# KiCad board motherboard-101.kicad_pcb (continued)
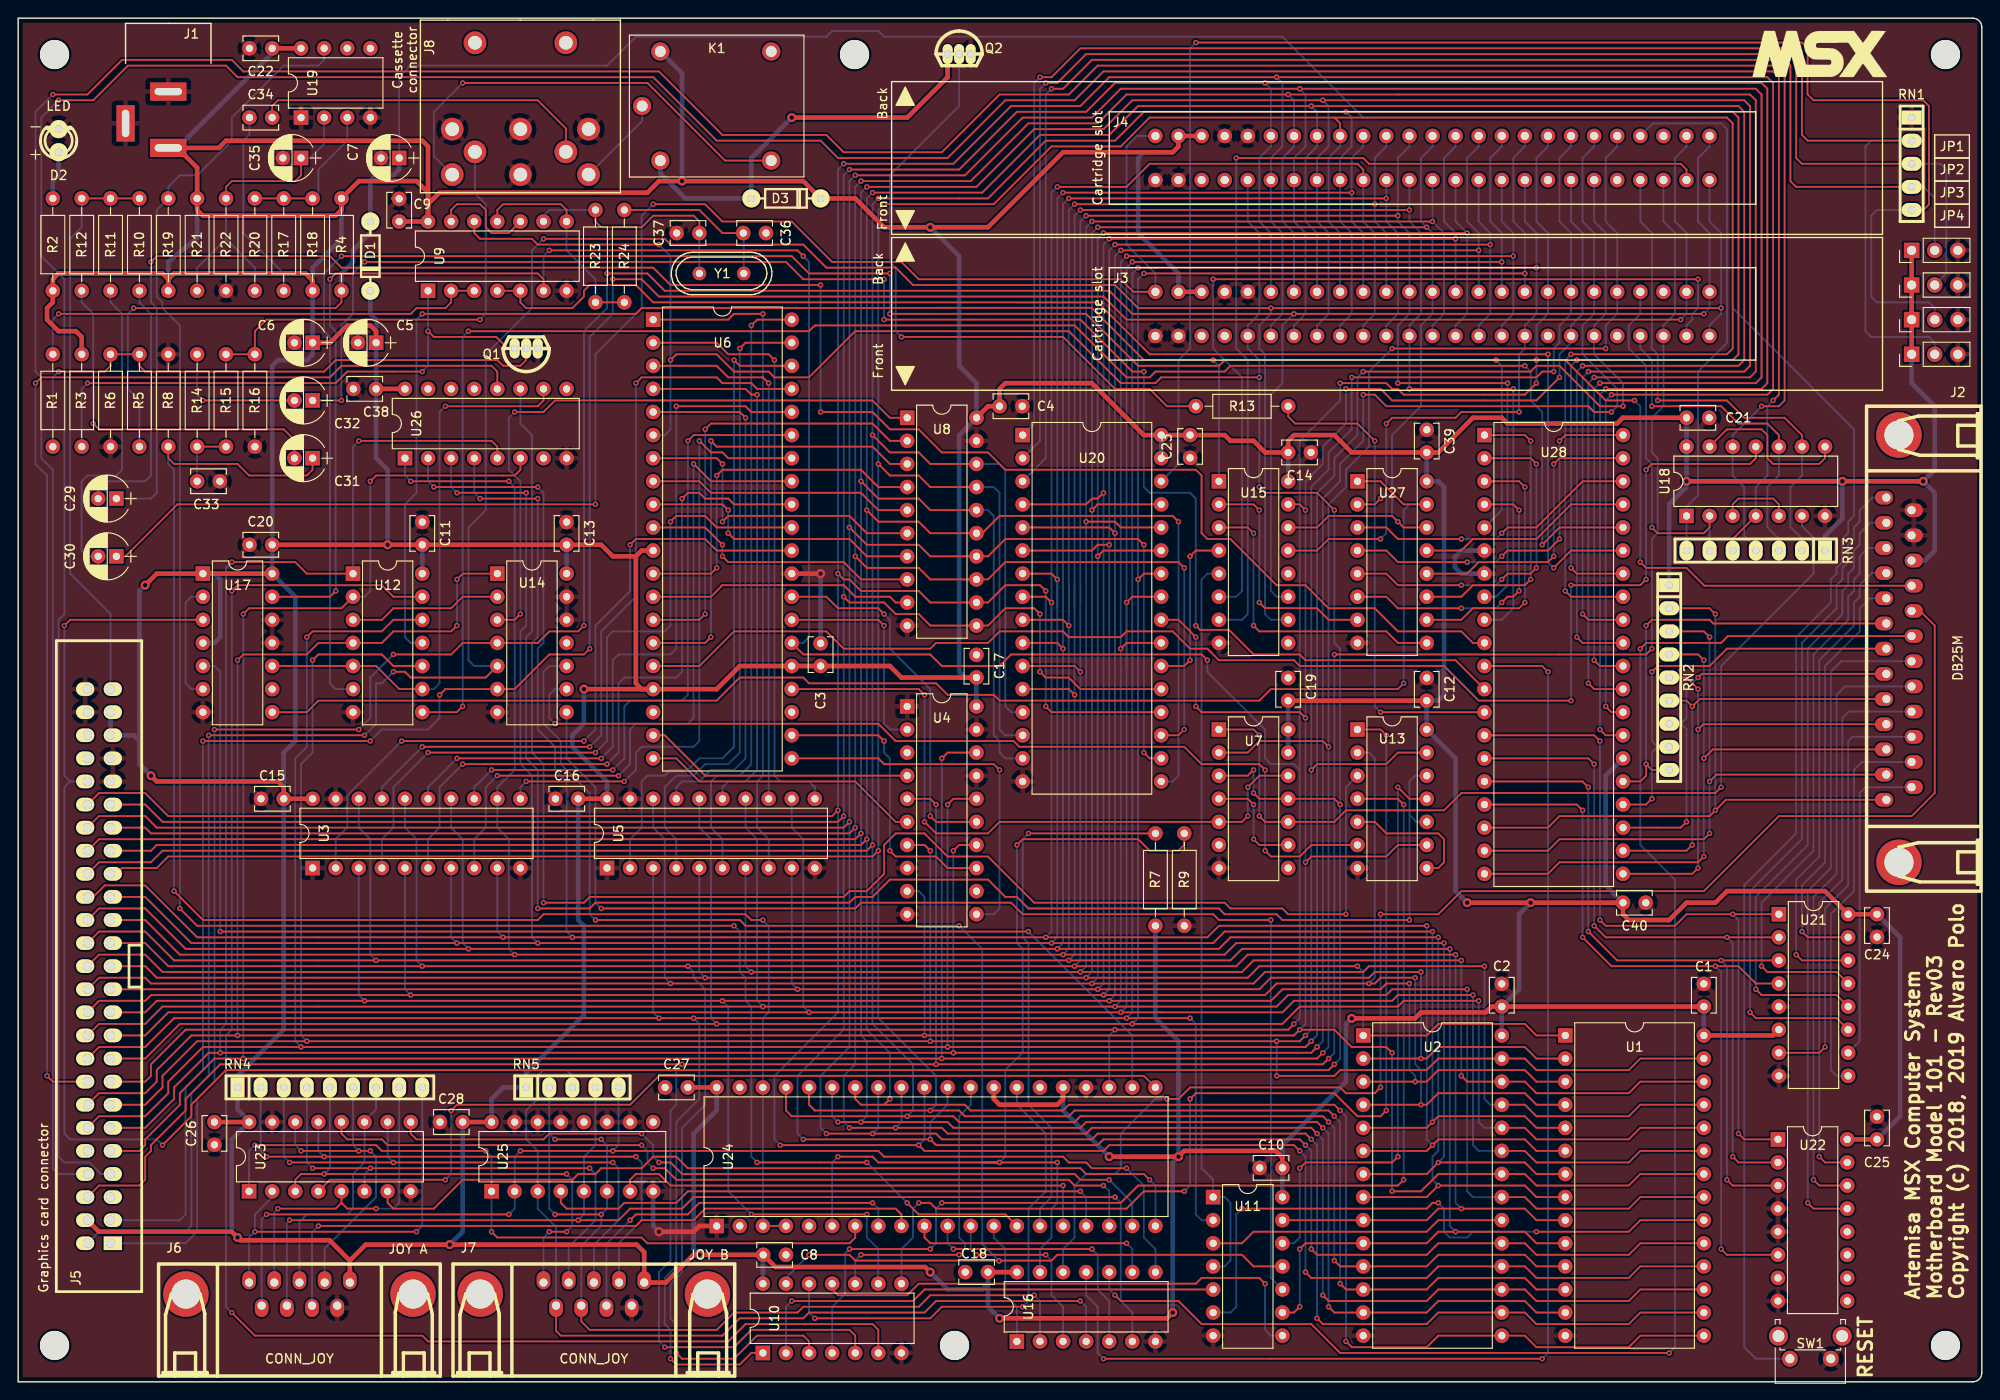
[diagram p0: board, top side]
## Routing (per net, layer and track width the routed paths; a pad name or vN(x,y) marks a point on that pad's centre or on a via; arc(x,y) is an arc through that point) (continued)
/DECODING/~{PSGBDIR}: length 168.8
  Top w0.203: v1(86.99,13.97) 91.44,13.97 92.08,13.34 113.67,13.34 114.3,13.97 134.62,13.97 135.89,12.7 U11.11 ; v1(63.5,50.8) 79.37,50.8 80.01,50.16 v1(103.51,50.16)
  Bottom w0.203: U10.13 84.45,11.43 v1(86.99,13.97) ; v1(63.5,50.8) 62.86,51.44 62.86,64.77 59.69,67.94 59.69,70.48 57.78,72.39 57.78,78.1 58.42,78.74 U14.10 ; v1(103.51,50.16) 106.05,47.62 106.05,15.16 v1(107.91,13.29)
/DECODING/~{PSGRD}: length 15
  Top w0.203: U13.8 156.21,56.51 156.85,57.15 156.85,59.69 156.21,60.32 150.5,60.32 149.23,61.59 U13.5
/DECODING/~{PSGSL}: length 177.1
  Top w0.203: v1(153.04,50.8) 139.06,50.8 138.43,51.44 132.71,51.44 132.08,52.07 111.12,52.07 109.86,53.34 108.58,53.34 106.68,55.25 95.89,55.25 93.98,53.34 92.08,53.34 91.44,52.7 63.5,52.7 62.86,52.07 v1(57.15,52.07)
  Bottom w0.203: v1(57.15,52.07) 57.15,67.31 55.88,68.58 55.88,81.91 56.52,82.55 56.52,104.14 55.25,105.41 U26.11 ; 153.04,62.37 v1(153.04,50.8) ; 153.04,62.37 153.81,61.59 U13.10 ; 153.04,62.37 153.04,66.04 153.67,66.67 U13.12
/DECODING/~{PSGWR}: length 65.5
  Top w0.203: v1(151.76,24.76) 151.13,24.13 141.61,24.13 v1(140.97,23.5) ; v1(151.76,65.41) 153.04,64.13 U13.11
  Bottom w0.203: v1(151.76,24.76) v1(151.76,65.41) ; U11.12 140.33,15.24 140.97,15.88 v1(140.97,23.5)
/EXTSOUND: length 170.9
  Top w0.203: J3.49 122.67,119.9 121.29,121.28 99.06,121.28 97.15,123.19 89.54,123.19 85.09,127.63 77.47,127.63 75.57,129.54 v1(69.85,129.54) ; v1(63.5,96.52) 17.51,96.52 11.8,90.81 C30.1
  Bottom w0.203: J3.49 125.1,121.92 121.92,125.09 121.92,135.89 123.08,137.04 J4.49 ; v1(69.85,129.54) 68.58,128.27 68.58,118.11 63.5,113.03 v1(63.5,96.52)
/KBD/KBCOL0: length 72.4
  Top w0.203: J2.1 187.85,64.03 v1(186.69,62.86) 186.06,62.23 169.55,62.23 168.27,60.96 U28.18 ; RN2.2 186.06,85.09 v1(186.69,84.45)
  Bottom w0.203: v1(186.69,84.45) v1(186.69,62.86)
/KBD/KBCOL1: length 71.6
  Top w0.203: v1(186.06,66.04) 186.81,66.79 J2.2 ; v1(186.06,81.91) 185.42,82.55 RN2.3 ; U28.19 168.27,58.42 169.55,59.69 185.42,59.69 v1(186.06,60.32)
  Bottom w0.203: v1(186.06,60.32) v1(186.06,81.91)
/KBD/KBCOL2: length 71.1
  Top w0.203: RN2.4 184.79,80.01 v1(185.42,79.38) ; v1(185.42,68.58) 186.41,69.57 J2.3 ; v1(185.42,57.78) 184.79,57.15 169.55,57.15 168.27,55.88 U28.20
  Bottom w0.203: v1(185.42,79.38) v1(185.42,68.58) v1(185.42,57.78)
/KBD/KBCOL3: length 52.9
  Top w0.203: v1(184.79,56.51) 184.15,55.88 U28.21 ; v1(184.79,76.2) 183.51,77.47 RN2.5 ; J2.4 185.36,72.33 v1(184.79,71.75)
  Bottom w0.203: v1(184.79,76.2) v1(184.79,71.75) v1(184.79,56.51)
/KBD/KBCOL4: length 47.6
  Top w0.203: U28.22 183.51,58.42 v1(184.15,59.06) ; RN2.6 183.51,74.93 v1(184.15,74.29) 184.96,75.11 J2.5
  Bottom w0.203: v1(184.15,74.29) v1(184.15,59.06)
/KBD/KBCOL5: length 46.3
  Top w0.203: v1(183.51,61.59) 182.88,60.96 U28.23 ; J2.6 185.19,77.87 v1(184.79,77.47)
  Bottom w0.203: v1(184.79,77.47) 183.51,76.2 183.51,73.03 182.91,72.42 182.91,72.39 ; 182.91,72.39 183.51,71.79 v1(183.51,61.59) ; 182.91,72.39 RN2.7
/KBD/KBCOL6: length 46
  Top w0.203: U28.24 179.07,63.5 v1(179.7,64.13) ; J2.7 187.96,80.64 186.06,78.74 180.34,78.74 v1(179.7,78.1)
  Bottom w0.203: 180.34,69.85 179.7,70.48 v1(179.7,78.1) ; 180.34,69.85 RN2.8 ; 180.34,69.85 179.7,69.22 v1(179.7,64.13)
/KBD/KBCOL7: length 49
  Top w0.203: U28.25 178.44,66.04 179.07,66.67 v1(179.07,67.94) 179.7,67.31 RN2.9 ; v1(179.07,83.19) 179.7,83.82 186.06,83.82 186.46,83.42 J2.8
  Bottom w0.203: v1(179.07,83.19) v1(179.07,67.94)
/KBD/KBROW0: length 82.1
  Top w0.203: U28.14 173.36,71.12 v1(173.99,70.48) ; U22.1 189.87,26.67 v1(189.23,27.31) ; v1(173.99,50.8) 174.62,50.16 182.25,50.16 183.51,51.44 U21.1
  Bottom w0.203: v1(188.6,51.44) 189.23,50.8 v1(189.23,27.31) ; v1(173.99,50.8) v1(173.99,70.48)
/KBD/KBROW1: length 80.6
  Top w0.203: v1(173.36,67.94) 172.72,68.58 U28.15 ; U21.2 v1(187.96,48.89) 174.62,48.89 v1(173.36,50.16) ; v1(188.6,24.76) 189.23,24.13 U22.2
  Bottom w0.203: v1(173.36,67.94) v1(173.36,50.16) ; v1(188.6,24.76) 188.6,48.26 v1(187.96,48.89)
/KBD/KBROW2: length 80.1
  Top w0.203: U21.3 v1(187.32,46.35) 175.89,46.35 v1(172.72,49.53) ; v1(187.96,22.22) 188.6,21.59 U22.3 ; U28.16 172.08,66.04 v1(172.72,65.41)
  Bottom w0.203: v1(172.72,49.53) v1(172.72,65.41) ; v1(187.32,46.35) 187.96,45.72 v1(187.96,22.22)
/KBD/KBROW3: length 86.6
  Top w0.203: v1(187.32,14.6) 187.96,13.97 U22.6 ; U28.17 171.45,63.5 v1(172.08,62.86) ; U21.4 191.13,43.81 189.23,45.72 v1(186.69,45.72) 175.26,45.72 v1(172.08,48.89)
  Bottom w0.203: v1(172.08,62.86) v1(172.08,48.89) ; v1(187.32,14.6) 187.32,45.09 v1(186.69,45.72)
/KBD/~{CAPSL}: length 176.1
  Top w0.203: v1(181.61,3.17) 145.42,3.17 142.24,6.35 130.18,6.35 127.64,8.89 121.29,8.89 v1(120.65,9.53) ; J2.20 188.07,82.03 187.32,81.28 179.07,81.28 v1(178.44,80.64)
  Bottom w0.203: U16.10 120.02,10.16 v1(120.65,9.53) ; v1(178.44,80.64) 178.44,59.06 182.25,55.25 182.25,3.81 v1(181.61,3.17)
/KBD/~{KANAL}: length 158.1
  Top w0.203: v1(149.86,51.44) 156.21,51.44 158.75,53.97 185.42,53.97 193.68,62.23 208.28,62.23 210.82,64.77 210.82,83.19 209.2,84.8 J2.21 ; v1(149.86,32.38) 149.23,31.75 146.05,31.75 145.42,32.38 128.9,32.38 127.64,31.11 v1(126.36,31.11)
  Bottom w0.203: v1(126.36,31.11) 125.1,31.11 121.29,27.31 121.29,23.5 120.65,22.86 117.48,22.86 116.2,21.59 116.2,15.88 114.93,14.6 U16.12 ; v1(149.86,32.38) v1(149.86,51.44)
/KBD/~{RSL0}: length 46.9
  Top w0.203: U21.15 196.85,48.89 v1(196.21,49.53)
  Bottom w0.203: J2.9 203.66,86.18 202.56,85.09 202.56,82.55 198.75,78.74 198.75,57.15 196.21,54.61 v1(196.21,49.53)
/KBD/~{RSL1}: length 53
  Top w0.203: U21.14 196.21,46.35 v1(195.58,46.99)
  Bottom w0.203: v1(195.58,46.99) 195.58,55.25 198.12,57.78 198.12,79.38 201.93,83.19 201.93,85.72 202.56,86.36 202.56,87.63 203.89,88.96 J2.10
/KBD/~{RSL2}: length 63.2
  Top w0.203: U21.13 200.02,45.09 192.4,45.09 v1(191.77,45.72)
  Bottom w0.203: J2.11 203.48,91.72 202.56,90.81 202.56,88.9 201.93,88.26 201.93,87 201.29,86.36 201.29,83.82 197.49,80.01 197.49,58.42 191.77,52.7 v1(191.77,45.72)
/KBD/~{RSL3}: length 69.3
  Top w0.203: v1(191.13,43.18) 191.77,42.54 200.02,42.54 U21.12
  Bottom w0.203: J2.12 203.72,94.5 202.56,93.34 202.56,92.07 201.93,91.44 201.93,89.53 201.29,88.9 201.29,87.63 200.66,87 200.66,84.45 196.85,80.64 196.85,59.06 191.13,53.34 v1(191.13,43.18)
/KBD/~{RSL4}: length 75.3
  Top w0.203: U21.11 200.02,40 191.13,40 v1(190.5,40.64)
  Bottom w0.203: J2.13 203.94,97.26 202.56,95.88 202.56,94.61 201.93,93.98 201.93,92.71 201.29,92.07 201.29,90.17 200.66,89.53 200.66,88.26 200.02,87.63 200.02,85.09 196.21,81.28 196.21,59.69 190.5,53.97 v1(190.5,40.64)
/KBD/~{RSL5}: length 35.1
  Bottom w0.203: J2.14 203.21,65.41 202.56,64.77 202.56,37.47 U21.10
/KBD/~{RSL6}: length 42.9
  Bottom w0.203: U21.9 200.02,33.66 199.39,34.29 199.39,51.44 201.93,53.97 201.93,67.31 202.8,68.18 J2.15
/KBD/~{RSL7}: length 47.2
  Top w0.203: U21.7 198.12,36.19 v1(198.75,36.83)
  Bottom w0.203: J2.16 201.76,70.95 201.29,70.48 201.29,54.61 198.75,52.07 v1(198.75,36.83)
/KBD/~{RSL8}: length 60.5
  Top w0.203: U22.15 198.75,24.13 v1(198.12,24.76)
  Bottom w0.203: v1(198.12,24.76) 198.12,52.7 200.66,55.25 200.66,73.03 201.36,73.72 J2.17
/KBD/~{RSL9}: length 67
  Top w0.203: U22.14 198.12,21.59 v1(197.49,22.22)
  Bottom w0.203: J2.18 200.95,76.49 200.02,75.56 200.02,55.88 197.49,53.34 v1(197.49,22.22)
/KBD/~{RSL10}: length 73.4
  Top w0.203: v1(196.85,19.69) 197.49,19.05 U22.13
  Bottom w0.203: v1(196.85,19.69) 196.85,53.97 199.39,56.51 199.39,78.1 200.55,79.26 J2.19
/PPI/PA0: length 32.1
  Top w0.203: v1(165.1,95.88) 164.46,96.52 U28.4 ; U27.6 150.5,86.36 151.76,85.09 v1(158.75,85.09) ; v1(165.1,87) 164.46,86.36 163.83,86.36 v1(163.19,85.72)
  Bottom w0.203: v1(158.75,85.09) 162.56,85.09 v1(163.19,85.72) ; v1(165.1,95.88) v1(165.1,87)
/PPI/PA1: length 29
  Top w0.203: U28.3 165.1,99.06 v1(165.74,98.42) ; v1(165.74,85.72) 165.1,85.09 160.02,85.09 158.75,83.82 U27.10
  Bottom w0.203: v1(165.74,98.42) v1(165.74,85.72)
/PPI/PA2: length 38.4
  Top w0.203: v1(158.75,87.63) 151.76,87.63 150.5,88.9 U27.5 ; v1(163.19,88.26) 163.83,88.9 166.37,88.9 v1(167,89.53) ; v1(167,100.96) 166.37,101.6 U28.2
  Bottom w0.203: v1(167,100.96) v1(167,89.53) ; v1(158.75,87.63) 162.56,87.63 v1(163.19,88.26)
/PPI/PA3: length 32.8
  Top w0.203: v1(166.37,88.26) 165.74,87.63 160.02,87.63 158.75,86.36 U27.11 ; U28.1 165.74,104.14 v1(166.37,103.5)
  Bottom w0.203: v1(166.37,88.26) v1(166.37,103.5)
/PPI/PA4: length 41.8
  Top w0.203: U27.4 150.5,91.44 151.76,90.17 v1(159.38,90.17) ; U28.40 170.18,104.14 v1(169.55,103.5) ; v1(169.55,92.71) 168.27,91.44 163.83,91.44 v1(163.19,90.81)
  Bottom w0.203: v1(169.55,103.5) v1(169.55,92.71) ; v1(159.38,90.17) 162.56,90.17 v1(163.19,90.81)
/PPI/PA5: length 32.8
  Top w0.203: v1(168.91,90.81) 168.27,90.17 160.65,90.17 159.38,88.9 U27.12 ; v1(168.91,100.96) 169.55,101.6 U28.39
  Bottom w0.203: v1(168.91,100.96) v1(168.91,90.81)
/PPI/PA6: length 32.4
  Top w0.203: v1(158.75,92.71) 151.76,92.71 150.5,93.98 U27.3 ; v1(163.19,93.34) 163.83,93.98 167,93.98 172.08,99.06 U28.38
  Bottom w0.203: v1(163.19,93.34) 162.56,92.71 v1(158.75,92.71)
/PPI/PA7: length 23.7
  Top w0.203: U28.37 170.81,96.52 167,92.71 160.02,92.71 158.75,91.44 U27.13
/PSG/IOA0: length 102
  Top w0.203: v1(46.99,22.22) 34.29,22.22 U23.4 ; v1(47.62,29.84) 48.26,30.48 67.31,30.48 70.48,33.66 123.83,33.66 U24.21
  Bottom w0.203: v1(46.99,22.22) 47.62,22.86 v1(47.62,29.84)
/PSG/IOA1: length 94.8
  Top w0.203: 40.64,21.59 40.64,19.69 41.28,19.05 45.72,19.05 48.89,22.22 60.96,22.22 61.59,22.86 63.5,22.86 64.14,23.5 68.58,23.5 69.85,24.76 72.39,24.76 73.66,23.5 116.84,23.5 117.48,22.86 123.83,22.86 v1(124.46,22.22)
  Bottom w0.203: U24.20 125.1,21.59 v1(124.46,22.22)
/PSG/IOA2: length 87.6
  Top w0.203: U23.9 43.18,27.31 43.81,26.67 57.78,26.67 58.42,27.31 v1(68.58,27.31) ; v1(70.48,24.13) 71.76,24.13 73.02,22.86 116.2,22.86 116.84,22.22 v1(120.02,22.22)
  Bottom w0.203: U24.19 122.55,19.69 v1(120.02,22.22) ; v1(70.48,24.13) 69.85,24.76 69.85,26.03 v1(68.58,27.31)
/PSG/IOA3: length 93
  Top w0.203: v1(68.58,26.03) 40.64,26.03 40,26.67 36.19,26.67 35.56,27.31 35.56,28.7 ; v1(69.85,23.5) 71.12,23.5 72.39,22.22 115.57,22.22 116.2,21.59 v1(119.38,21.59)
  Bottom w0.203: U24.18 120.02,20.95 v1(119.38,21.59) ; v1(69.85,23.5) 69.22,24.13 69.22,25.4 v1(68.58,26.03)
/PSG/IOA4: length 63.5
  Top w0.203: U25.4 59.69,19.69 60.33,19.05 66.04,19.05 66.67,19.69 72.39,19.69 73.66,20.95 v1(116.84,20.95)
  Bottom w0.203: 117.48,17.14 117.48,20.32 v1(116.84,20.95)
/PSG/IOA5: length 54.1
  Top w0.203: U25.7 67.31,22.22 67.94,22.86 70.48,22.86 71.76,21.59 v1(114.93,21.59)
  Bottom w0.203: v1(114.93,21.59) U24.16
/PSG/IOB0: length 13.8
  Bottom w0.203: 107.32,17.14 107.32,15.88 108.58,14.6 108.58,9.53 109.86,8.25 U16.1
/PSG/IOB1: length 21.4
  Top w0.203: v1(105.41,13.97) v1(113.03,13.97)
  Bottom w0.203: U16.3 114.93,8.25 113.67,9.53 113.67,13.34 v1(113.03,13.97) ; U24.12 104.77,14.6 v1(105.41,13.97)
/PSG/IOB2: length 29
  Top w0.203: v1(118.11,14.6) v1(102.87,14.6)
  Bottom w0.203: U24.11 102.23,15.24 v1(102.87,14.6) ; U16.5 120.02,8.89 118.74,10.16 118.74,13.97 v1(118.11,14.6)
/PSG/IOB3: length 27.2
  Top w0.203: v1(121.92,15.24) 100.33,15.24 99.7,15.88 U24.10
  Bottom w0.203: U16.9 122.55,14.6 v1(121.92,15.24)
/PSG/IOB4: length 75.5
  Top w0.203: v1(33.02,17.14) 67.94,17.14 68.58,17.78 74.3,17.78 75.57,19.05 96.52,19.05 97.15,18.41 U24.9
  Bottom w0.203: v1(33.02,17.14) 32.32,16.45 J6.8
/PSG/IOB5: length 40.7
  Top w0.203: v1(93.98,19.69) 74.93,19.69 73.66,18.41 67.94,18.41 v1(67.31,17.78)
  Bottom w0.203: v1(67.31,17.78) 64.71,15.18 J7.8 ; v1(93.98,19.69) 94.61,19.05 U24.8
/PSG/IOB6: length 82.1
  Top w0.203: U24.7 92.08,15.88 91.44,15.24 69.22,15.24 68.58,15.88 52.7,15.88 v1(52.07,16.51) ; v1(26.03,26.03) 39.37,26.03 40,25.4 v1(51.44,25.4)
  Bottom w0.203: v1(51.44,25.4) 52.07,24.76 U25.1 v1(52.07,16.51) ; v1(26.03,26.03) 25.4,25.4 25.4,21.08
/PSG/JOYA1: length 45
  Top w0.203: v1(43.81,16.51) v1(26.03,16.51)
  Bottom w0.203: J6.1 25.4,15.88 v1(26.03,16.51) 26.03,18.41 27.94,20.32 U23.2 ; RN4.9 44.45,17.14 v1(43.81,16.51)
/PSG/JOYA2: length 36.5
  Top w0.203: 35.56,19.69 35.56,21.08 ; 35.56,19.69 36.19,19.05 v1(39.37,19.05) ; 35.56,19.69 34.92,19.05 v1(28.58,19.05)
  Bottom w0.203: RN4.8 41.91,19.69 41.28,19.05 v1(39.37,19.05) ; v1(28.58,19.05) 28.17,18.64 J6.2
/PSG/JOYA3: length 27.6
  Bottom w0.203: RN4.7 39.37,29.97 38.1,28.7 38.1,24.13 36.83,22.86 36.83,19.05 36.19,18.41 31.75,18.41 30.94,17.6 J6.3
/PSG/JOYA4: length 35.5
  Top w0.203: v1(31.11,25.4) v1(37.47,25.4) v1(38.73,25.4)
  Bottom w0.203: RN4.6 36.83,26.03 v1(37.47,25.4) ; v1(31.11,25.4) 30.48,26.03 30.48,28.7 ; v1(38.73,25.4) 39.37,24.76 39.37,20.32 33.71,14.66 J6.4
/PSG/JOYA6: length 131.9
  Top w0.203: v1(121.92,23.5) 118.11,23.5 117.48,24.13 115.57,24.13 114.93,24.76 95.25,24.76 94.61,25.4 v1(65.41,25.4) v1(55.25,25.4) ; v1(27.3,18.41) v1(53.97,18.41)
  Bottom w0.203: v1(27.3,18.41) 26.78,17.89 J6.6 ; v1(53.97,18.41) 54.61,19.05 U25.2 54.61,24.76 v1(55.25,25.4) ; v1(65.41,25.4) 66.04,26.03 RN5.5 ; v1(121.92,23.5) 123.83,21.59 123.83,15.88 125.1,14.6 U16.8
/PSG/JOYA7: length 133.4
  Top w0.203: v1(120.65,20.32) 74.3,20.32 73.02,19.05 67.31,19.05 66.04,17.78 v1(61.59,17.78) v1(29.84,17.78)
  Bottom w0.203: U16.6 122.55,7.62 121.29,8.89 121.29,19.69 v1(120.65,20.32) ; J6.7 29.56,17.49 v1(29.84,17.78) ; RN5.4 63.5,26.03 62.23,24.76 U25.5 62.23,18.41 v1(61.59,17.78)
/PSG/JOYB1: length 55.7
  Top w0.203: 30.48,21.08 30.48,22.22 31.11,22.86 v1(33.66,22.86) v1(60.33,22.86) ; v1(58.42,16.51) v1(60.33,16.51)
  Bottom w0.203: v1(60.33,22.86) 60.96,22.22 60.96,17.14 v1(60.33,16.51) ; 57.78,10.92 57.78,15.88 v1(58.42,16.51) ; RN4.5 34.29,23.5 v1(33.66,22.86)
/PSG/JOYB2: length 56.4
  Top w0.203: v1(62.86,23.5) v1(38.73,23.5) v1(32.39,23.5)
  Bottom w0.203: RN4.4 31.75,24.13 v1(32.39,23.5) ; v1(62.86,23.5) 63.5,22.86 63.5,17.78 60.55,14.83 J7.2 ; v1(38.73,23.5) 38.1,22.86 38.1,21.08
/PSG/JOYB3: length 63.5
  Top w0.203: v1(29.84,24.13) v1(41.28,24.13) v1(65.41,24.13)
  Bottom w0.203: v1(41.28,24.13) 40.64,24.76 40.64,28.7 ; v1(65.41,24.13) 66.04,23.5 66.04,17.78 63.32,15.06 J7.3 ; RN4.3 29.21,24.76 v1(29.84,24.13)
/PSG/JOYB4: length 67.9
  Top w0.203: v1(67.94,24.76) v1(33.66,24.76) v1(27.3,24.76)
  Bottom w0.203: v1(67.94,24.76) 68.58,24.13 68.58,17.78 66.1,15.3 J7.4 ; v1(27.3,24.76) 26.67,25.4 RN4.2 ; v1(33.66,24.76) 33.02,25.4 33.02,28.7
/PSG/JOYB6: length 99.7
  Top w0.203: v1(116.84,8.89) 100.96,8.89 99.7,7.62 86.99,7.62 86.36,6.98 79.37,6.98 77.47,5.08 59.69,5.08 59.17,5.6 J7.6
  Bottom w0.203: U16.4 117.48,8.25 v1(116.84,8.89) ; J7.6 59.17,17.03 57.15,19.05 U25.3 57.15,25.4 55.88,26.67 55.88,29.84 57.15,31.11 57.15,33.66 57.78,34.29 60.33,34.29 60.96,33.66 RN5.3
/PSG/JOYB7: length 103.9
  Top w0.203: v1(59.05,26.67) v1(64.14,26.67) ; v1(59.05,18.41) v1(64.14,18.41) ; v1(111.76,9.53) 100.33,9.53 99.06,8.25 86.36,8.25 85.73,7.62 78.74,7.62 76.83,5.72 62.86,5.72 61.94,6.64 J7.7
  Bottom w0.203: U16.2 112.39,8.89 v1(111.76,9.53) ; v1(59.05,18.41) 58.42,19.05 58.42,27.31 ; 58.42,27.31 v1(59.05,26.67) ; 58.42,27.31 RN5.2 ; J7.7 61.94,14.95 64.14,17.14 v1(64.14,18.41) 64.77,19.05 U25.6 64.77,26.03 v1(64.14,26.67)
/PSGBC1: length 33.7
  Top w0.203: v1(92.71,13.97) v1(103.51,13.97)
  Bottom w0.203: v1(92.71,13.97) 92.08,13.34 U10.10 ; U24.29 104.77,30.48 103.51,29.21 103.51,15.88 104.14,15.24 104.14,14.6 v1(103.51,13.97)
/PSGBDIR: length 54
  Top w0.203: v1(87.63,6.98) 100.33,6.98 101.6,8.25 v1(110.49,8.25)
  Bottom w0.203: U10.12 86.99,7.62 v1(87.63,6.98) ; v1(110.49,8.25) 111.12,8.89 111.12,19.05 113.03,20.95 113.03,27.31 109.86,30.48 U24.27
/PSGCLK: length 141.5
  Top w0.203: v1(111.12,49.53) v1(22.22,49.53)
  Bottom w0.203: U17.5 21.59,78.74 22.22,78.1 v1(22.22,49.53) ; U24.22 122.55,38.1 v1(111.12,49.53)
/RESET: length 153.8
  Top w0.203: U28.35 170.81,91.44 v1(168.91,89.53) ; U9.4 U9.5 55.25,118.74 55.88,118.11 60.96,118.11 62.23,119.38 62.23,120.02 62.86,120.65 67.94,120.65 69.85,118.74 113.04,118.74 118.75,118.74 124.46,113.03 v1(168.27,113.03)
  Bottom w0.203: v1(168.91,89.53) 168.27,90.17 v1(168.27,113.03)
/SLOTS/~{EXTINT2}: length 37.3
  Top w0.203: v1(179.7,107.31) 187.32,107.31 189.23,105.41 192.4,105.41 193.68,104.14 U18.10
  Bottom w0.203: RN3.3 193.68,92.74 192.4,94.01 192.4,98.42 193.68,99.69 U18.10 ; J3.8 178.44,113.66 179.7,112.39 v1(179.7,107.31)
/SLOTS/~{EXTINT3}: length 56.2
  Top w0.203: v1(180.34,107.95) 187.96,107.95 189.87,106.04 194.31,106.04 196.21,104.14 U18.9
  Bottom w0.203: U18.9 196.21,99.69 194.94,98.42 194.94,94.01 196.21,92.74 RN3.2 ; J4.8 178.44,127.63 179.7,126.36 179.7,113.66 180.34,113.03 v1(180.34,107.95)
/SLOTS/~{EXTWAIT2}: length 39.5
  Top w0.203: U18.2 186.06,93.98 185.42,93.34 180.34,93.34 v1(179.7,93.98)
  Bottom w0.203: RN3.6 U18.2 ; v1(179.7,93.98) 179.7,100.96 179.07,101.6 179.07,111.76 177.17,113.66 177.17,116.2 178.44,117.47 J3.7
/SLOTS/~{EXTWAIT3}: length 58.6
  Bottom w0.203: J4.7 179.82,138.43 187.32,138.43 187.96,137.79 187.96,114.3 184.79,111.12 184.79,97.52 183.51,96.25 U18.1 RN3.7
/SLOTS/~{VDPINT}: length 381.5
  Top w0.203: v1(191.77,107.31) 193.68,107.31 194.31,107.95 194.31,144.14 193.68,144.78 118.74,144.78 115.57,141.6 107.95,141.6 101.6,135.25 90.8,135.25 88.9,137.16 77.47,137.16 70.48,144.14 24.77,144.14 23.5,145.41 11.43,145.41 7.62,141.6 v1(3.81,141.6)
  Bottom w0.203: J5.8 4.45,22.86 3.81,23.5 3.81,100.33 2.54,101.6 2.54,110.49 1.91,111.12 1.91,139.7 v1(3.81,141.6) ; v1(191.77,107.31) 188.6,104.14 U18.12 188.6,99.69 189.87,98.42 189.87,93.05 191.13,91.78 RN3.4
/SLOTS/~{VDPWAIT}: length 378.5
  Top w0.203: U18.4 188.6,92.71 RN3.5 ; v1(193.04,107.95) 193.68,108.58 193.68,143.51 193.04,144.14 119.38,144.14 116.2,140.97 108.58,140.97 102.23,134.62 90.17,134.62 88.27,136.52 76.83,136.52 69.85,143.51 24.13,143.51 22.86,144.78 12.06,144.78 8.25,140.97 v1(4.45,140.97)
  Bottom w0.203: v1(193.04,107.95) 192.4,107.31 192.4,99.69 191.13,98.42 U18.4 ; RN3.5 188.6,91.78 ; v1(4.45,140.97) 2.54,139.06 2.54,123.82 5.08,121.28 5.08,84.45 4.45,83.82 4.45,24.76 5.08,24.13 7.84,24.13 9.11,22.86 J5.7
/~{CAPSLOCK}: length 141.7
  Top w0.203: v1(167.64,2.54) v1(119.38,2.54) ; U28.11 167.64,78.74 v1(168.27,78.1)
  Bottom w0.203: v1(119.38,2.54) 118.74,3.17 118.74,8.25 117.48,9.53 U16.11 ; v1(168.27,78.1) 168.27,3.17 v1(167.64,2.54)
/~{CASMOTOR}: length 53.3
  Top w0.203: U28.13 v1(149.86,73.66) ; v1(149.23,103.5) 147.32,105.41 140.47,105.41 139.7,106.18 R13.2
  Bottom w0.203: v1(149.23,103.5) 149.23,74.29 v1(149.86,73.66)
/~{CS1}: length 330.9
  Top w0.203: v1(64.77,121.92) 69.22,121.92 71.12,120.02 120.02,120.02 122.55,117.47 v1(140.33,117.47) v1(185.42,117.47) ; v1(37.47,71.75) v1(21.59,71.75) ; v1(62.23,83.19) 61.59,82.55 58.42,82.55 57.15,81.28 U14.4 48.89,81.28 47.62,80.01 v1(41.28,80.01)
  Bottom w0.203: v1(140.33,117.47) 139.06,116.2 139.06,109.85 137.8,108.58 137.8,87 138.43,86.36 U15.11 ; J4.1 186.06,135.89 184.79,134.62 184.79,127.63 186.06,126.36 J3.1 186.06,118.11 v1(185.42,117.47) ; v1(21.59,71.75) 21.59,33.02 19.69,31.11 19.69,16.51 18.42,15.24 J5.1 ; v1(37.47,71.75) 38.73,73.03 38.73,77.47 v1(41.28,80.01) ; v1(64.77,121.92) 64.77,118.11 62.23,115.57 v1(62.23,83.19)
/~{CS2}: length 346.4
  Top w0.203: v1(20.95,71.12) v1(38.1,71.12) ; v1(57.78,125.73) 71.12,125.73 71.76,125.09 86.36,125.09 88.9,122.55 96.53,122.57 98.42,120.65 120.65,120.65 123.19,118.11 v1(137.8,118.11) v1(187.32,118.11) ; U14.5 51.44,77.47 43.18,77.47 42.55,78.1 v1(41.28,78.1)
  Bottom w0.203: J5.2 8.89,16.51 18.42,16.51 19.05,17.14 19.05,31.75 20.95,33.66 v1(20.95,71.12) ; v1(137.8,118.11) 137.8,117.47 136.52,116.2 136.52,113.66 137.16,113.03 137.16,84.45 137.8,83.82 U15.10 ; v1(57.78,125.73) 56.52,124.46 56.52,118.11 51.44,113.03 51.44,95.88 49.53,93.98 49.53,79.38 50.17,78.74 U14.5 ; v1(41.28,78.1) 40,76.84 39.37,76.84 39.37,72.39 v1(38.1,71.12) ; J3.2 186.06,116.2 187.32,117.47 v1(187.32,118.11) 187.32,126.36 186.06,127.63 J4.2
/~{CS12}: length 292.1
  Top w0.203: v1(182.88,116.84) 121.92,116.84 119.38,119.38 70.48,119.38 68.58,121.28 v1(65.41,121.28) ; v1(62.86,80.64) 62.23,80.01 58.42,80.01 54.61,76.2 U14.6 46.99,76.2 v1(46.36,75.56) ; v1(38.73,70.48) v1(20.32,70.48)
  Bottom w0.203: v1(182.88,116.84) 183.51,117.47 J3.3 183.51,126.36 182.25,127.63 182.25,134.62 183.51,135.89 J4.3 ; v1(65.41,121.28) 65.41,117.47 62.86,114.93 v1(62.86,80.64) ; v1(46.36,75.56) 46.36,73.03 45.08,71.75 40,71.75 v1(38.73,70.48) ; J5.3 17.78,17.78 18.42,18.41 18.42,32.38 20.32,34.29 v1(20.32,70.48)
/~{EXTINT}: length 154.9
  Top w0.203: v1(179.07,100.33) 179.7,100.96 190.5,100.96 191.13,101.6 U18.11 ; v1(170.81,87.63) 178.44,87.63 v1(179.07,88.26) ; U6.16 74.93,78.74 78.74,82.55 88.9,82.55 90.8,80.64 100.33,80.64 100.96,81.28 106.68,81.28 107.95,82.55 114.93,82.55 115.57,81.91 121.29,81.91 121.92,82.55 127,82.55 128.9,80.64 130.81,80.64 132.08,79.38 140.33,79.38 140.97,78.74 156.85,78.74 160.65,74.93 v1(170.81,74.93)
  Bottom w0.203: v1(179.07,88.26) v1(179.07,100.33) ; v1(170.81,74.93) v1(170.81,87.63)
/~{EXTWAIT}: length 100.8
  Top w0.203: v1(187.32,65.41) 186.69,64.77 158.75,64.77 156.85,62.86 146.05,62.86 144.78,61.59 U7.10 137.16,61.59 v1(136.52,62.23) ; v1(136.52,71.12) 135.89,71.75 U7.1
  Bottom w0.203: v1(136.52,62.23) v1(136.52,71.12) ; v1(187.32,65.41) 187.32,78.74 197.49,88.9 197.49,92.85 196.21,94.12 U18.6
/~{IORQ}: length 398.7
  Top w0.203: 172.72,107.31 150.5,107.31 149.23,108.58 v1(147.95,108.58) ; 172.72,107.31 173.36,106.68 v1(175.26,106.68) ; 172.72,107.31 173.28,106.76 ; v1(142.88,36.83) 142.24,36.19 v1(102.87,36.19) v1(22.22,36.19) 20.95,36.19 17.14,32.38 17.14,31.11 13.97,27.94 J5.11 ; U12.1 31.75,88.9 30.48,90.17 v1(23.5,90.17) ; v1(37.47,103.5) 52.07,103.5 52.7,102.87 U26.5 ; 105.41,59.06 103.51,59.06 v1(102.87,58.42)
  Bottom w0.203: U12.1 36.83,102.87 v1(37.47,103.5) ; v1(102.87,58.42) v1(102.87,36.19) ; J4.11 173.36,135.89 172.08,134.62 172.08,127.63 173.36,126.36 J3.11 173.36,117.47 172.08,116.2 172.08,113.03 175.89,109.22 175.89,107.31 v1(175.26,106.68) ; v1(23.5,90.17) 22.86,89.53 22.86,39.37 22.22,38.73 v1(22.22,36.19) ; v1(142.88,36.83) 143.51,37.47 143.51,97.16 145.42,99.06 145.42,100.96 147.95,103.5 v1(147.95,108.58)
/~{KANALOCK}: length 105.9
  Top w0.203: v1(90.17,24.76) 93.98,24.76 94.61,24.13 v1(107.95,24.13) 106.05,24.13 v1(114.3,24.13) ; v1(109.86,59.06) 110.49,59.69 123.19,59.69 124.46,58.42 127.64,58.42 128.27,59.06 R9.1
  Bottom w0.203: 89.54,17.14 89.54,24.13 v1(90.17,24.76) ; v1(107.95,24.13) 108.58,24.76 108.58,34.29 110.49,36.19 110.49,47.62 109.86,48.26 v1(109.86,59.06) ; v1(114.3,24.13) 114.3,19.69 113.67,19.05 113.67,15.88 112.39,14.6 U16.13
/~{M1}: length 412.3
  Top w0.203: v1(151.13,113.66) v1(174.62,113.66) ; v1(143.51,36.19) 142.88,35.56 v1(101.6,35.56) v1(24.77,35.56) 21.59,35.56 17.78,31.75 17.78,30.48 13.97,26.67 13.97,26.03 13.33,25.4 J5.9 ; v1(38.73,99.06) 39.37,99.69 54.61,99.69 55.25,100.33 U26.6 ; v1(144.14,69.85) 143.51,70.48 136.52,70.48 135.25,69.22 U7.2 ; v1(24.77,84.45) 25.4,85.09 35.56,85.09 U12.2 ; 105.41,69.22 102.23,69.22 v1(101.6,68.58)